# Allegro board 8880F5-0820_5.brd (continued)
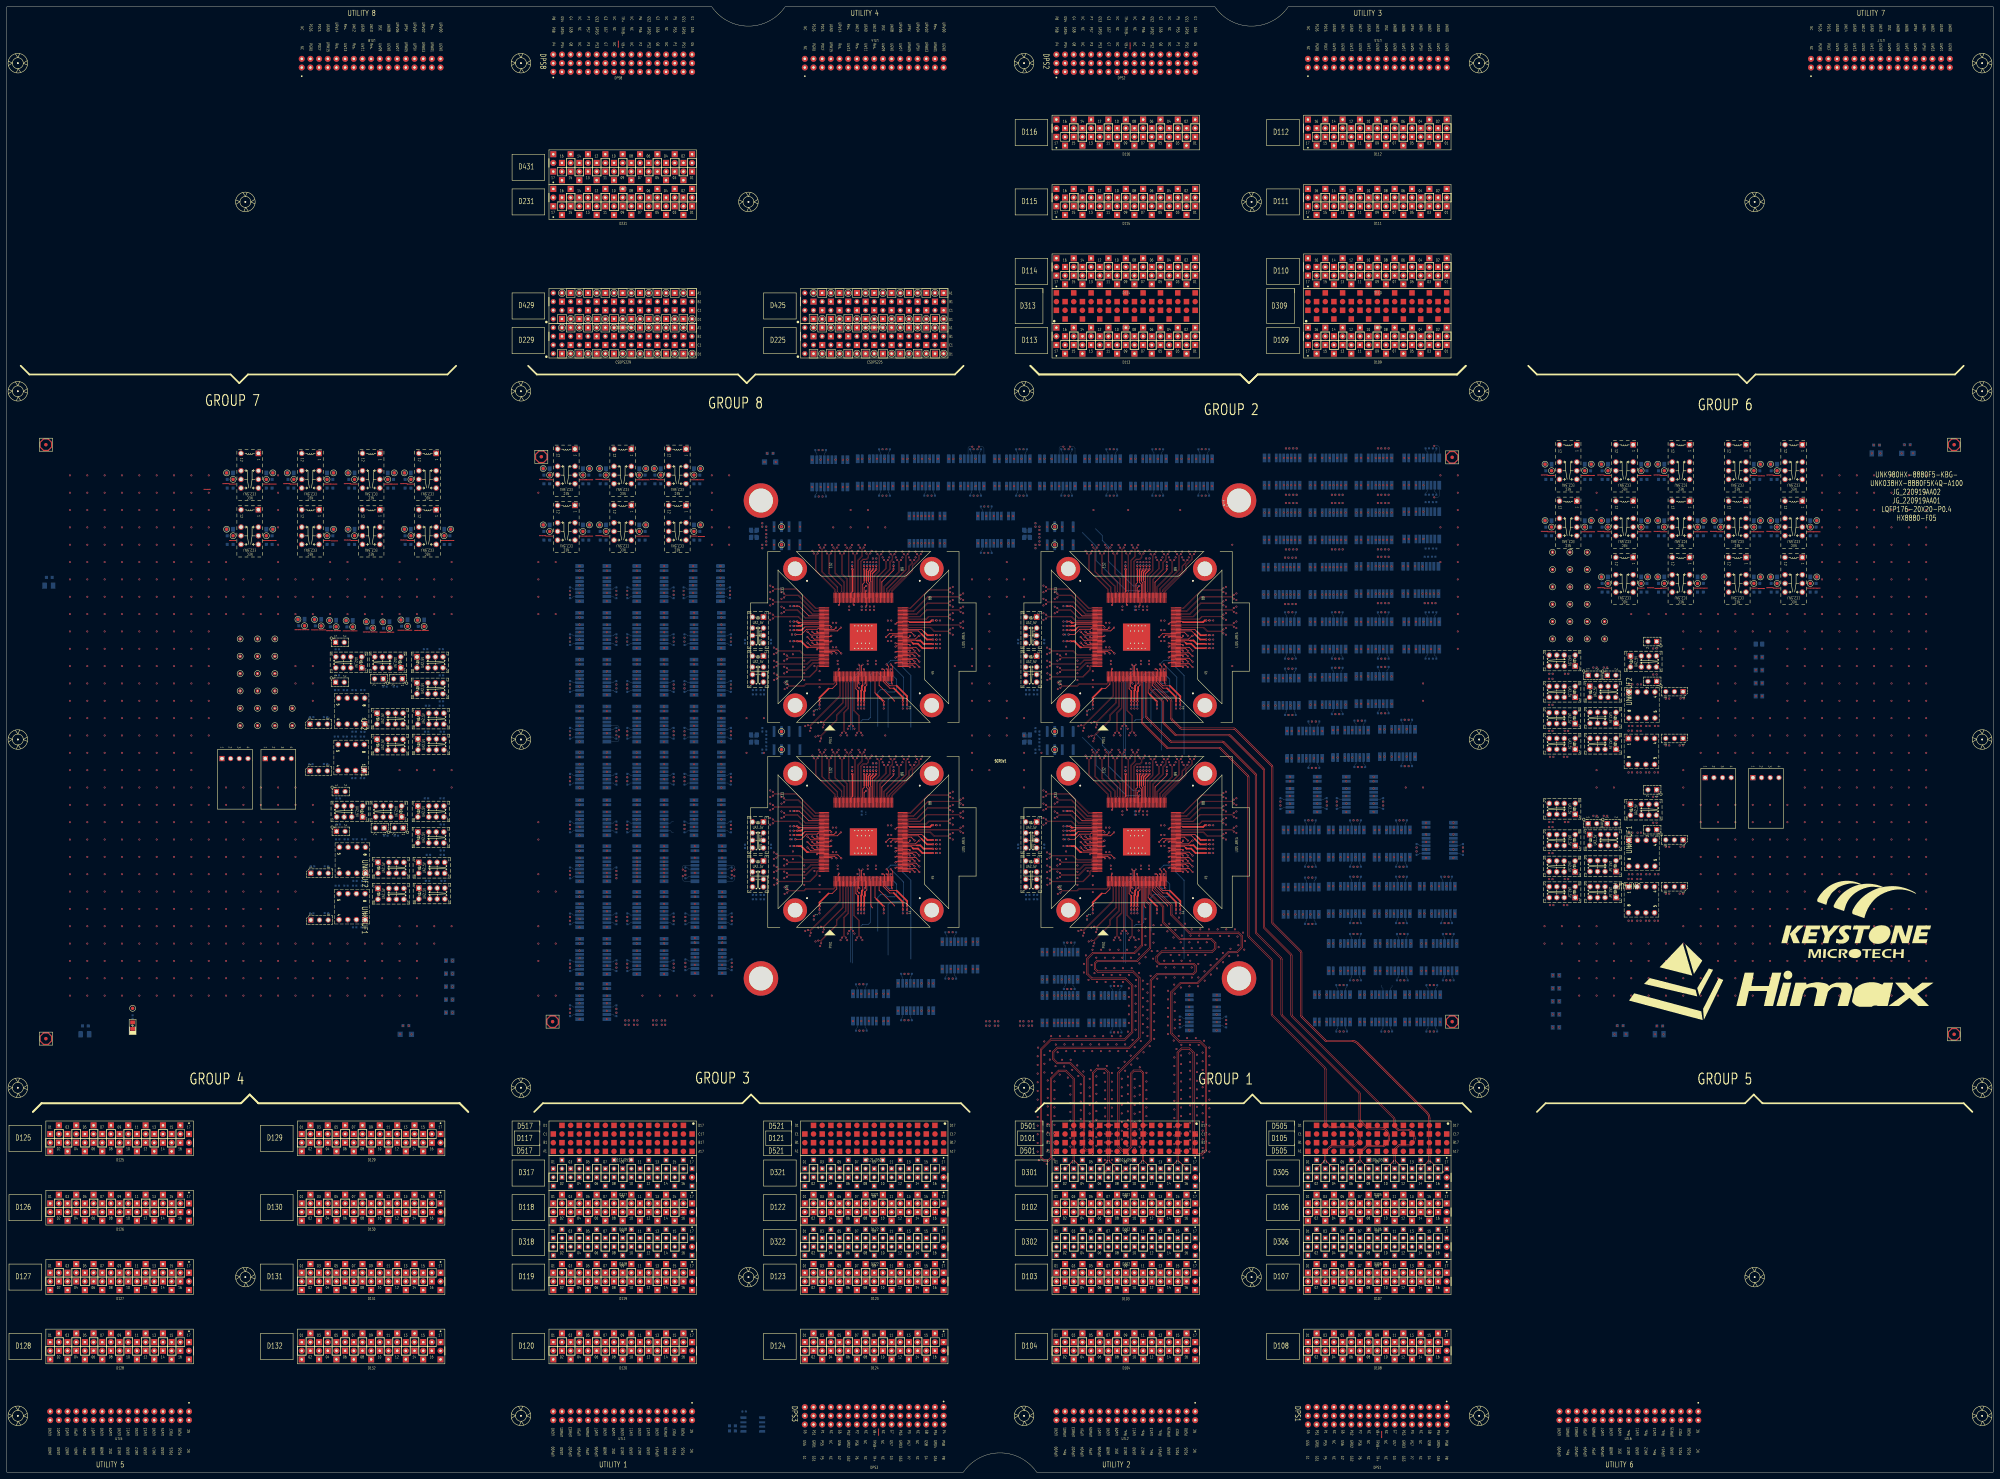
[diagram p0: board, top side]
## Placement (name value [footprint] x y rotation side) (continued)
NOREF#1336  -  []  167.7 151.68 90 top
NOREF#1337  -  []  392.24 194.78 90 top
NOREF#1338  -  []  367.13 271.21 0 top
NOREF#1339  -  []  456.04 222.5 0 top
NOREF#1340  -  []  450.03 166.93 0 top
NOREF#1341  -  []  167.7 241.43 90 top
NOREF#1342  -  []  374.34 210.38 90 top
NOREF#1343  -  []  199.08 254 90 top
NOREF#1344  -  []  165.8 254 90 top
NOREF#1345  -  []  96.58 195.15 0 top
NOREF#1346  -  []  418.12 273.37 0 top
NOREF#1347  -  []  103.93 235.64 0 top
NOREF#1348  -  []  127.95 222.33 0 top
NOREF#1349  -  []  221.56 182.89 0 top
NOREF#1350  -  []  229.21 193.37 0 top
NOREF#1351  -  []  100.73 238.84 0 top
NOREF#1352  -  []  166.06 135.19 90 top
NOREF#1353  -  []  352.25 189.82 0 top
NOREF#1354  -  []  285.02 288.91 90 top
NOREF#1355  -  []  277.17 288.86 0 top
NOREF#1356  -  []  200.98 255.15 0 top
NOREF#1357  -  []  352.25 242.32 90 top
NOREF#1358  -  []  343.63 163.82 90 top
NOREF#1359  -  []  167.7 241.43 0 top
NOREF#1360  -  []  420.37 255.47 90 top
NOREF#1361  -  []  119.7 231.22 0 top
NOREF#1362  -  []  192.47 250.38 90 top
NOREF#1363  -  []  199.33 212.85 0 top
NOREF#1364  -  []  352.93 288.86 90 top
NOREF#1365  -  []  209.49 175.56 90 top
NOREF#1366  -  []  415.61 185.72 90 top
NOREF#1367  -  []  385.18 209.11 90 top
NOREF#1368  -  []  127.3 235.64 90 top
NOREF#1369  -  []  300.74 286.96 90 top
NOREF#1370  -  []  252.51 265.55 0 top
NOREF#1371  -  []  259.97 204.35 90 top
NOREF#1372  -  []  247.25 205.56 0 top
NOREF#1373  -  []  309.21 187.61 0 top
NOREF#1374  -  []  177.33 228.47 90 top
NOREF#1375  -  []  182.57 254 0 top
NOREF#1376  -  []  272.25 249.18 90 top
NOREF#1377  -  []  351.04 244.23 0 top
NOREF#1378  -  []  395.2 265.37 0 top
NOREF#1379  -  []  385.32 161.49 90 top
NOREF#1380  -  []  118.33 289.48 90 top
NOREF#1381  -  []  412.6 161.74 0 top
NOREF#1382  -  []  415.61 181.32 90 top
NOREF#1383  -  []  272.66 288.86 90 top
NOREF#1384  -  []  218.16 188.49 0 top
NOREF#1385  -  []  385.93 178.25 0 top
NOREF#1386  -  []  251.62 205.56 90 top
NOREF#1387  -  []  317.57 209.63 90 top
NOREF#1388  -  []  250.23 132.14 0 top
NOREF#1389  -  []  230.43 183.09 90 top
NOREF#1390  -  []  305.94 288.86 0 top
NOREF#1391  -  []  343.31 224.74 0 top
NOREF#1392  -  []  283.25 147.43 90 top
NOREF#1393  -  []  310.43 193.37 90 top
NOREF#1394  -  []  399.64 144.98 0 top
NOREF#1395  -  []  390.53 146.88 0 top
NOREF#1396  -  []  322.23 173.13 90 top
NOREF#1397  -  []  352.55 242.64 0 top
NOREF#1398  -  []  402.14 146.88 0 top
NOREF#1399  -  []  331.94 204.65 90 top
NOREF#1400  -  []  155.57 275.14 90 top
NOREF#1401  -  []  310.43 246.34 90 top
NOREF#1402  -  []  384.08 209.16 90 top
NOREF#1403  -  []  310.43 243.09 0 top
NOREF#1404  -  []  406.65 255.47 90 top
NOREF#1405  -  []  192.47 230.17 90 top
NOREF#1406  -  []  334.29 265.56 0 top
NOREF#1407  -  []  387.39 265.11 0 top
NOREF#1408  -  []  385.19 224.85 0 top
NOREF#1409  -  []  177.33 214.75 90 top
NOREF#1410  -  []  246.67 288.16 90 top
NOREF#1411  -  []  479.44 239.09 0 top
NOREF#1412  -  []  175.7 154.88 90 top
NOREF#1413  -  []  251.94 265.86 90 top
NOREF#1414  -  []  404.15 289.12 0 top
NOREF#1415  -  []  259.45 288.86 90 top
NOREF#1416  -  []  254.61 264.65 90 top
NOREF#1417  -  []  392.47 256.66 90 top
NOREF#1418  -  []  106.18 160.58 90 top
NOREF#1419  -  []  340.83 234.63 90 top
NOREF#1420  -  []  380.59 222.95 0 top
NOREF#1421  -  []  184.47 161 90 top
NOREF#1422  -  []  462.06 293.82 90 top
NOREF#1423  -  []  326.23 173.13 0 top
NOREF#1424  -  []  337.9 186.99 0 top
NOREF#1425  -  []  310.73 253.69 0 top
NOREF#1426  -  []  308.14 296.86 0 top
NOREF#1427  -  []  308.91 139.64 0 top
NOREF#1428  -  []  330.74 164.72 0 top
NOREF#1429  -  []  201.23 187.92 90 top
NOREF#1430  -  []  167.7 136.27 90 top
NOREF#1431  -  []  369.38 257.11 0 top
NOREF#1432  -  []  165.8 144.78 90 top
NOREF#1433  -  []  320.42 131.64 0 top
NOREF#1434  -  []  118.45 226.62 90 top
NOREF#1435  -  []  378.58 289.12 90 top
NOREF#1436  -  []  456.08 214.96 0 top
NOREF#1437  -  []  329.6 163.52 90 top
NOREF#1438  -  []  201.23 247.18 90 top
NOREF#1439  -  []  177.33 160.4 90 top
NOREF#1440  -  []  518.38 257.36 90 top
NOREF#1441  -  []  460.93 182.17 90 top
NOREF#1442  -  []  555.66 300.54 90 top
NOREF#1443  -  []  336.45 224.74 0 top
NOREF#1444  -  []  230.43 253.37 90 top
NOREF#1445  -  []  546.67 300.44 90 top
NOREF#1446  -  []  167.7 161 90 top
NOREF#1447  -  []  401.89 180.15 0 top
NOREF#1448  -  []  101.29 247.16 90 top
NOREF#1449  -  []  199.59 158.5 0 top
NOREF#1450  -  []  381.74 232.85 0 top
NOREF#1451  -  []  404.15 241.11 0 top
NOREF#1452  -  []  247.57 204.65 90 top
NOREF#1453  -  []  393.19 239.21 90 top
NOREF#1454  -  []  327.57 204.65 90 top
NOREF#1455  -  []  392.24 196.98 90 top
NOREF#1456  -  []  371.48 232.6 0 top
NOREF#1457  -  []  209.23 243.88 90 top
NOREF#1458  -  []  384.59 162.84 90 top
NOREF#1459  -  []  251.22 253.63 0 top
NOREF#1460  -  []  209.23 232.37 90 top
NOREF#1461  -  []  251.62 265.56 90 top
NOREF#1462  -  []  172.08 289.11 90 top
NOREF#1463  -  []  184.47 255.15 0 top
NOREF#1464  -  []  175.7 202.99 90 top
NOREF#1465  -  []  182.57 226.57 0 top
NOREF#1466  -  []  175.7 182.06 90 top
NOREF#1467  -  []  194.09 242.18 90 top
NOREF#1468  -  []  120.24 171.1 0 top
NOREF#1469  -  []  387.39 249.11 0 top
NOREF#1470  -  []  385.19 297.12 0 top
NOREF#1471  -  []  252.51 264.35 90 top
NOREF#1472  -  []  167.7 173.11 90 top
NOREF#1473  -  []  385.19 257.11 0 top
NOREF#1474  -  []  184.47 241.43 0 top
NOREF#1475  -  []  331.38 223.52 90 top
NOREF#1476  -  []  311.15 159.63 90 top
NOREF#1477  -  []  230.41 253.37 90 top
NOREF#1478  -  []  165.8 212.85 90 top
NOREF#1479  -  []  230.43 186.34 90 top
NOREF#1480  -  []  175.7 137.37 90 top
NOREF#1481  -  []  263.95 163.52 90 top
NOREF#1482  -  []  247.78 132.14 90 top
NOREF#1483  -  []  400.85 233.11 0 top
NOREF#1484  -  []  108.01 214.71 0 top
NOREF#1485  -  []  175.8 256.4 90 top
NOREF#1486  -  []  250.5 288.86 0 top
NOREF#1487  -  []  106.76 215.26 0 top
NOREF#1488  -  []  258.61 131.69 90 top
NOREF#1489  -  []  346.27 135.17 90 top
NOREF#1490  -  []  412.62 241.11 0 top
NOREF#1491  -  []  251.05 204.65 90 top
NOREF#1492  -  []  167.7 186.57 90 top
NOREF#1493  -  []  450.03 225.6 0 top
NOREF#1494  -  []  106.76 210.11 90 top
NOREF#1495  -  []  420.62 287.22 90 top
NOREF#1496  -  []  251.86 252.43 90 top
NOREF#1497  -  []  378.33 224.6 90 top
NOREF#1498  -  []  331.54 252.73 90 top
NOREF#1499  -  []  463.61 171.53 0 top
NOREF#1500  -  []  167.7 214 0 top
NOREF#1501  -  []  128.05 273.87 90 top
NOREF#1502  -  []  118.7 217.73 90 top
NOREF#1503  -  []  396.55 225.11 0 top
NOREF#1504  -  []  118.45 231.77 0 top
NOREF#1505  -  []  459.24 175.86 90 top
NOREF#1506  -  []  84.04 287.84 90 top
NOREF#1507  -  []  124.1 231.22 0 top
NOREF#1508  -  []  334.29 264.35 90 top
NOREF#1509  -  []  108.01 222.33 0 top
NOREF#1510  -  []  302.11 142.44 0 top
NOREF#1511  -  []  352.25 184.23 0 top
NOREF#1512  -  []  383.09 257.11 0 top
NOREF#1513  -  []  463.61 222.58 0 top
NOREF#1514  -  []  412.24 144.98 90 top
NOREF#1515  -  []  338.36 288.91 90 top
NOREF#1516  -  []  325.92 131.64 0 top
NOREF#1517  -  []  239.33 243.63 90 top
NOREF#1518  -  []  451.68 230.2 0 top
NOREF#1519  -  []  301.56 171.46 0 top
NOREF#1520  -  []  336.45 224.72 0 top
NOREF#1521  -  []  451.68 230.2 0 top
NOREF#1522  -  []  284.36 280.1 0 top
NOREF#1523  -  []  337.09 164.74 90 top
NOREF#1524  -  []  254.29 264.35 90 top
NOREF#1525  -  []  376.23 209.11 0 top
NOREF#1526  -  []  259.33 265.55 0 top
NOREF#1527  -  []  385.93 144.98 0 top
NOREF#1528  -  []  351.04 245.5 0 top
NOREF#1529  -  []  271.04 185.5 0 top
NOREF#1530  -  []  330.74 164.74 0 top
NOREF#1531  -  []  184.47 260.9 90 top
NOREF#1532  -  []  450.03 182.17 0 top
NOREF#1533  -  []  271.34 243.91 0 top
NOREF#1534  -  []  272.25 185.5 0 top
NOREF#1535  -  []  108.01 222.33 0 top
NOREF#1536  -  []  199.84 175.58 90 top
NOREF#1537  -  []  352.55 183.91 0 top
NOREF#1538  -  []  321.35 296.86 0 top
NOREF#1539  -  []  121.9 231.22 0 top
NOREF#1540  -  []  396.28 180.2 90 top
NOREF#1541  -  []  192.47 246.08 90 top
NOREF#1542  -  []  238.3 163.52 90 top
NOREF#1543  -  []  298.16 177.06 0 top
NOREF#1544  -  []  217.41 273.24 90 top
NOREF#1545  -  []  463.61 222.58 0 top
NOREF#1546  -  []  271.34 242.64 0 top
NOREF#1547  -  []  184.47 174.46 90 top
NOREF#1548  -  []  423.45 146.93 90 top
NOREF#1549  -  []  199.33 240.28 0 top
NOREF#1550  -  []  313.98 143.79 90 top
NOREF#1551  -  []  201.49 159.65 90 top
NOREF#1552  -  []  192.57 215.25 90 top
NOREF#1553  -  []  319.33 236.03 0 top
NOREF#1554  -  []  394.66 242.38 90 top
NOREF#1555  -  []  408.63 290.39 90 top
NOREF#1556  -  []  273.24 272.1 0 top
NOREF#1557  -  []  298.13 274.06 0 top
NOREF#1558  -  []  241.6 296.61 0 top
NOREF#1559  -  []  279.7 155.38 0 top
NOREF#1560  -  []  167.7 244.98 90 top
NOREF#1561  -  []  230.73 193.69 0 top
NOREF#1562  -  []  471.21 219.38 0 top
NOREF#1563  -  []  230.43 243.09 90 top
NOREF#1564  -  []  175.7 222.95 90 top
NOREF#1565  -  []  127.7 231.22 0 top
NOREF#1566  -  []  410.78 131.89 0 top
NOREF#1567  -  []  166.06 216.47 90 top
NOREF#1568  -  []  351.34 245.18 0 top
NOREF#1569  -  []  222.11 240.71 0 top
NOREF#1570  -  []  272.55 182.64 0 top
NOREF#1571  -  []  106.76 215.26 0 top
NOREF#1572  -  []  229.51 253.69 0 top
NOREF#1573  -  []  483.17 130.26 90 top
NOREF#1574  -  []  188.08 291.65 90 top
NOREF#1575  -  []  229.51 249.2 0 top
NOREF#1576  -  []  332.61 296.86 0 top
NOREF#1577  -  []  397.57 131.89 0 top
NOREF#1578  -  []  376.98 241.11 0 top
NOREF#1579  -  []  124.35 195.15 0 top
NOREF#1580  -  []  224.65 271.67 0 top
NOREF#1581  -  []  418.37 241.16 90 top
NOREF#1582  -  []  381.86 129.99 0 top
NOREF#1583  -  []  192.47 202.99 90 top
NOREF#1584  -  []  398.65 281.11 0 top
NOREF#1585  -  []  412.62 281.37 0 top
NOREF#1586  -  []  247.57 264.65 90 top
NOREF#1587  -  []  419.9 288.67 90 top
NOREF#1588  -  []  317.66 224.72 0 top
NOREF#1589  -  []  115.61 211.51 90 top
NOREF#1590  -  []  260.99 143.19 0 top
NOREF#1591  -  []  215.96 237.06 0 top
NOREF#1592  -  []  261.63 233.83 90 top
NOREF#1593  -  []  260.83 174.63 90 top
NOREF#1594  -  []  223.56 185.29 90 top
NOREF#1595  -  []  409.49 163.64 0 top
NOREF#1596  -  []  399.07 208.91 90 top
NOREF#1597  -  []  310.73 246.66 0 top
NOREF#1598  -  []  184.47 214 90 top
NOREF#1599  -  []  352.24 249.18 90 top
NOREF#1600  -  []  272.8 157.28 0 top
NOREF#1601  -  []  352.25 184.86 90 top
NOREF#1602  -  []  250.49 163.52 90 top
NOREF#1603  -  []  405.93 272.56 90 top
NOREF#1604  -  []  248.33 187.93 0 top
NOREF#1605  -  []  400.79 154.88 0 top
NOREF#1606  -  []  310.43 248.88 90 top
NOREF#1607  -  []  327.57 264.65 90 top
NOREF#1608  -  []  352.25 181.69 0 top
NOREF#1609  -  []  115.61 191.95 0 top
NOREF#1610  -  []  397.8 163.19 90 top
NOREF#1611  -  []  247.34 133.41 90 top
NOREF#1612  -  []  411.26 163.09 90 top
NOREF#1613  -  []  101.82 290.38 90 top
NOREF#1614  -  []  168.13 159.1 90 top
NOREF#1615  -  []  449.99 217.9 0 top
NOREF#1616  -  []  331.62 205.55 0 top
NOREF#1617  -  []  306.83 209.63 90 top
NOREF#1618  -  []  230.43 187.61 0 top
NOREF#1619  -  []  259.65 265.86 90 top
NOREF#1620  -  []  251.06 163.82 90 top
NOREF#1621  -  []  272.25 245.5 0 top
NOREF#1622  -  []  201.23 186.57 0 top
NOREF#1623  -  []  258.1 288.86 0 top
NOREF#1624  -  []  263.71 288.86 0 top
NOREF#1625  -  []  177.33 242.18 90 top
NOREF#1626  -  []  275.82 296.86 0 top
NOREF#1627  -  []  317.83 197.63 0 top
NOREF#1628  -  []  242.23 233.13 0 top
NOREF#1629  -  []  290.11 280.1 0 top
NOREF#1630  -  []  175.7 150.58 90 top
NOREF#1631  -  []  398.65 233.11 0 top
NOREF#1632  -  []  390.69 257.11 0 top
NOREF#1633  -  []  382.82 180.15 0 top
NOREF#1634  -  []  402.14 146.88 0 top
NOREF#1635  -  []  260.6 286.96 90 top
NOREF#1636  -  []  192.57 160.9 90 top
NOREF#1637  -  []  209.33 187.82 90 top
NOREF#1638  -  []  376.23 209.11 0 top
NOREF#1639  -  []  317.66 164.74 0 top
NOREF#1640  -  []  328.62 290.13 90 top
NOREF#1641  -  []  465.81 222.58 0 top
NOREF#1642  -  []  257.09 163.52 90 top
NOREF#1643  -  []  351.34 189.5 0 top
NOREF#1644  -  []  367.48 258.38 90 top
NOREF#1645  -  []  272.24 183.59 90 top
NOREF#1646  -  []  368.28 297.12 0 top
NOREF#1647  -  []  342.68 164.74 90 top
NOREF#1648  -  []  201.23 201.89 90 top
NOREF#1649  -  []  310.73 193.69 0 top
NOREF#1650  -  []  230.73 249.2 0 top
NOREF#1651  -  []  168.13 227.17 90 top
NOREF#1652  -  []  175.7 175.56 90 top
NOREF#1653  -  []  182.57 240.28 90 top
NOREF#1654  -  []  394.05 287.22 0 top
NOREF#1655  -  []  251.62 264.35 90 top
NOREF#1656  -  []  398.65 209.36 90 top
NOREF#1657  -  []  192.47 191.22 90 top
NOREF#1658  -  []  310.43 253.37 90 top
NOREF#1659  -  []  337.09 224.74 90 top
NOREF#1660  -  []  271.56 288.91 90 top
NOREF#1661  -  []  351.34 241.37 0 top
NOREF#1662  -  []  182.57 212.85 90 top
NOREF#1663  -  []  329.6 164.74 90 top
NOREF#1664  -  []  110.47 171.02 0 top
NOREF#1665  -  []  418.63 131.94 90 top
NOREF#1666  -  []  471.21 168.33 90 top
NOREF#1667  -  []  394.05 271.21 0 top
NOREF#1668  -  []  252.51 205.55 0 top
NOREF#1669  -  []  329.6 224.74 90 top
NOREF#1670  -  []  127.95 187.53 0 top
NOREF#1671  -  []  478.57 293.82 90 top
NOREF#1672  -  []  408.63 274.64 90 top
NOREF#1673  -  []  413.75 171.64 0 top
NOREF#1674  -  []  229.51 187.93 0 top
NOREF#1675  -  []  342.36 163.82 90 top
NOREF#1676  -  []  394.66 274.38 90 top
NOREF#1677  -  []  253.33 181.33 90 top
NOREF#1678  -  []  84.04 290.38 90 top
NOREF#1679  -  []  253.72 205.86 90 top
NOREF#1680  -  []  310.43 186.34 90 top
NOREF#1681  -  []  184.47 242.78 90 top
NOREF#1682  -  []  333.4 205.55 0 top
NOREF#1683  -  []  411.09 146.88 90 top
NOREF#1684  -  []  199.59 145.03 0 top
NOREF#1685  -  []  217.71 276.09 0 top
NOREF#1686  -  []  409.74 146.88 0 top
NOREF#1687  -  []  221.56 231.46 0 top
NOREF#1688  -  []  175.7 162.1 90 top
NOREF#1689  -  []  379 272.56 90 top
NOREF#1690  -  []  450.03 210.36 0 top
NOREF#1691  -  []  420.15 131.34 90 top
NOREF#1692  -  []  414.25 154.88 0 top
NOREF#1693  -  []  265.81 288.86 0 top
NOREF#1694  -  []  166.06 203.01 90 top
NOREF#1695  -  []  167.7 165.4 90 top
NOREF#1696  -  []  259.33 205.55 0 top
NOREF#1697  -  []  201.23 227.72 90 top
NOREF#1698  -  []  331.62 264.35 90 top
NOREF#1699  -  []  404.4 225.16 90 top
NOREF#1700  -  []  400.85 281.11 0 top
NOREF#1701  -  []  459.24 219.3 90 top
NOREF#1702  -  []  405.93 240.56 90 top
NOREF#1703  -  []  317.98 163.82 90 top
NOREF#1704  -  []  192.47 257.6 90 top
NOREF#1705  -  []  272.25 189.82 0 top
NOREF#1706  -  []  378.33 257.11 90 top
NOREF#1707  -  []  373.83 192.28 0 top
NOREF#1708  -  []  309.51 246.66 0 top
NOREF#1709  -  []  184.47 219.75 90 top
NOREF#1710  -  []  309.51 247.93 0 top
NOREF#1711  -  []  374.08 195.9 90 top
NOREF#1712  -  []  110.21 214.71 0 top
NOREF#1713  -  []  385.93 161.74 0 top
NOREF#1714  -  []  168.13 145.38 90 top
NOREF#1715  -  []  332.51 205.55 0 top
NOREF#1716  -  []  351.34 183.91 0 top
NOREF#1717  -  []  518.38 276.41 90 top
NOREF#1718  -  []  166.06 189.04 90 top
NOREF#1719  -  []  93.76 287.84 90 top
NOREF#1720  -  []  118.7 190.55 90 top
NOREF#1721  -  []  199.08 254 0 top
NOREF#1722  -  []  318.3 163.52 90 top
NOREF#1723  -  []  385.19 265.11 0 top
NOREF#1724  -  []  230.41 183.09 90 top
NOREF#1725  -  []  184.89 240.88 90 top
NOREF#1726  -  []  271.04 184.23 0 top
NOREF#1727  -  []  201.49 146.18 0 top
NOREF#1728  -  []  377.48 289.17 90 top
NOREF#1729  -  []  380.59 255.21 0 top
NOREF#1730  -  []  311.44 288.86 0 top
NOREF#1731  -  []  405.93 224.56 90 top
NOREF#1732  -  []  339.65 264.65 90 top
NOREF#1733  -  []  192.47 236.67 90 top
NOREF#1734  -  []  404.15 225.11 0 top
NOREF#1735  -  []  554.86 298.45 0 top
NOREF#1736  -  []  314.33 228.13 90 top
NOREF#1737  -  []  381.2 258.38 90 top
NOREF#1738  -  []  247.57 264.65 90 top
NOREF#1739  -  []  407.77 255.47 0 top
NOREF#1740  -  []  271.04 249.82 0 top
NOREF#1741  -  []  300.36 248.49 0 top
NOREF#1742  -  []  263.83 171.63 90 top
NOREF#1743  -  []  380.59 287.22 0 top
NOREF#1744  -  []  409.43 139.89 0 top
NOREF#1745  -  []  327.25 265.56 0 top
NOREF#1746  -  []  230.43 193.37 90 top
NOREF#1747  -  []  182.57 185.42 0 top
NOREF#1748  -  []  473.79 196.21 0 top
NOREF#1749  -  []  250.49 223.52 90 top
NOREF#1750  -  []  229.05 271.67 0 top
NOREF#1751  -  []  303.56 245.29 90 top
NOREF#1752  -  []  399.99 181.42 90 top
NOREF#1753  -  []  201.49 159.65 0 top
NOREF#1754  -  []  383.09 289.12 0 top
NOREF#1755  -  []  192.47 243.88 90 top
NOREF#1756  -  []  518.38 292.92 90 top
NOREF#1757  -  []  459.28 211.76 90 top
NOREF#1758  -  []  397.38 180.15 90 top
NOREF#1759  -  []  274.67 286.96 0 top
NOREF#1760  -  []  424.98 146.43 90 top
NOREF#1761  -  []  230.73 189.2 0 top
NOREF#1762  -  []  461.96 166.93 0 top
NOREF#1763  -  []  369.38 224.6 0 top
NOREF#1764  -  []  165.8 226.57 90 top
NOREF#1765  -  []  310.43 249.52 0 top
NOREF#1766  -  []  167.7 231.27 90 top
NOREF#1767  -  []  201.49 149.73 90 top
NOREF#1768  -  []  118.45 239.39 0 top
NOREF#1769  -  []  165.8 254 0 top
NOREF#1770  -  []  276.4 147.38 0 top
NOREF#1771  -  []  119.95 222.33 0 top
NOREF#1772  -  []  367.13 287.22 0 top
NOREF#1773  -  []  518.38 290.38 90 top
NOREF#1774  -  []  302.11 129.74 0 top
NOREF#1775  -  []  106.29 174.19 90 top
NOREF#1776  -  []  337.9 246.35 90 top
NOREF#1777  -  []  167.7 219.75 90 top
NOREF#1778  -  []  321.82 227.13 90 top
NOREF#1779  -  []  394.66 290.39 90 top
NOREF#1780  -  []  386.53 148.15 90 top
NOREF#1781  -  []  351.34 181.37 0 top
NOREF#1782  -  []  373.68 232.6 0 top
NOREF#1783  -  []  301.56 231.46 0 top
NOREF#1784  -  []  175.7 216.45 90 top
NOREF#1785  -  []  331.86 252.43 90 top
NOREF#1786  -  []  165.8 171.96 90 top
NOREF#1787  -  []  332.51 265.56 90 top
NOREF#1788  -  []  366.88 239.21 0 top
NOREF#1789  -  []  284.77 288.86 0 top
NOREF#1790  -  []  182.57 199.39 90 top
NOREF#1791  -  []  399.67 139.89 0 top
NOREF#1792  -  []  262.36 296.86 0 top
NOREF#1793  -  []  201.4 254.6 90 top
NOREF#1794  -  []  230.43 254.01 0 top
NOREF#1795  -  []  247.25 265.56 0 top
NOREF#1796  -  []  340.61 286.96 90 top
NOREF#1797  -  []  221.56 242.89 0 top
NOREF#1798  -  []  374.88 217.11 0 top
NOREF#1799  -  []  312.21 144.34 0 top
NOREF#1800  -  []  318.32 131.64 0 top
NOREF#1801  -  []  257.09 224.74 90 top
NOREF#1802  -  []  175.7 259.8 90 top
NOREF#1803  -  []  310.43 246.34 0 top
NOREF#1804  -  []  339.65 205.86 90 top
NOREF#1805  -  []  201.23 200.54 0 top
NOREF#1806  -  []  263.31 164.72 0 top
NOREF#1807  -  []  369.38 224.6 0 top
NOREF#1808  -  []  368.03 265.11 0 top
NOREF#1809  -  []  288.14 286.96 0 top
NOREF#1810  -  []  352.25 244.86 90 top
NOREF#1811  -  []  399.39 178.25 0 top
NOREF#1812  -  []  248.96 224.72 0 top
NOREF#1813  -  []  184.47 200.54 90 top
NOREF#1814  -  []  460.93 225.6 90 top
NOREF#1815  -  []  459.28 211.76 0 top
NOREF#1816  -  []  397.55 209.41 90 top
NOREF#1817  -  []  406.19 171.64 0 top
NOREF#1818  -  []  352.55 185.18 0 top
NOREF#1819  -  []  327.57 265.86 90 top
NOREF#1820  -  []  342.68 223.52 90 top
NOREF#1821  -  []  225.83 204.31 0 top
NOREF#1822  -  []  167.7 149.48 90 top
NOREF#1823  -  []  272.25 241.05 90 top
NOREF#1824  -  []  313.98 143.89 90 top
NOREF#1825  -  []  257.9 246.99 0 top
NOREF#1826  -  []  75.98 290.38 90 top
NOREF#1827  -  []  297.71 216.09 0 top
NOREF#1828  -  []  473.79 239.64 0 top
NOREF#1829  -  []  351.04 189.82 0 top
NOREF#1830  -  []  251.38 163.52 90 top
NOREF#1831  -  []  271.04 244.23 0 top
NOREF#1832  -  []  175.7 205.19 90 top
NOREF#1833  -  []  343.63 165.04 90 top
NOREF#1834  -  []  400.85 249.11 0 top
NOREF#1835  -  []  353.35 288.41 90 top
NOREF#1836  -  []  229.51 189.2 0 top
NOREF#1837  -  []  234.7 286.71 90 top
NOREF#1838  -  []  418.12 241.11 0 top
NOREF#1839  -  []  167.7 255.15 0 top
NOREF#1840  -  []  396.55 257.37 0 top
NOREF#1841  -  []  423.61 182.42 90 top
NOREF#1842  -  []  175.7 164.3 90 top
NOREF#1843  -  []  237.98 163.82 90 top
NOREF#1844  -  []  301.56 242.89 0 top
NOREF#1845  -  []  409.17 281.37 0 top
NOREF#1846  -  []  108.01 195.15 0 top
NOREF#1847  -  []  167.7 176.66 90 top
NOREF#1848  -  []  354.27 131.87 90 top
NOREF#1849  -  []  405.17 131.89 0 top
NOREF#1850  -  []  381.2 242.38 90 top
NOREF#1851  -  []  333.4 204.35 90 top
NOREF#1852  -  []  36.1 129.71 90 top
NOREF#1853  -  []  326 288.86 90 top
NOREF#1854  -  []  209.23 250.38 90 top
NOREF#1855  -  []  322.23 233.13 90 top
NOREF#1856  -  []  352.25 241.69 0 top
NOREF#1857  -  []  419.9 240.66 90 top
NOREF#1858  -  []  184.89 159.1 90 top
NOREF#1859  -  []  346.69 128.87 90 top
NOREF#1860  -  []  115.36 235.64 0 top
NOREF#1861  -  []  332.51 205.56 90 top
NOREF#1862  -  []  405.93 288.67 90 top
NOREF#1863  -  []  400.85 265.37 0 top
NOREF#1864  -  []  398.53 144.98 90 top
NOREF#1865  -  []  119.76 127 90 top
NOREF#1866  -  []  270.04 280.1 0 top
NOREF#1867  -  []  340.83 174.63 90 top
NOREF#1868  -  []  328.33 187.93 0 top
NOREF#1869  -  []  112.41 195.15 0 top
NOREF#1870  -  []  297.41 213.24 90 top
NOREF#1871  -  []  251.54 252.73 90 top
NOREF#1872  -  []  396.55 273.11 0 top
NOREF#1873  -  []  199.33 257.62 90 top
NOREF#1874  -  []  419.4 171.64 0 top
NOREF#1875  -  []  184.47 190.12 90 top
NOREF#1876  -  []  215.96 237.06 0 top
NOREF#1877  -  []  343.95 223.52 90 top
NOREF#1878  -  []  318.3 224.74 90 top
NOREF#1879  -  []  327.57 205.86 90 top
NOREF#1880  -  []  377.32 188.15 0 top
NOREF#1881  -  []  297.83 234.63 90 top
NOREF#1882  -  []  337.09 163.52 90 top
NOREF#1883  -  []  465.31 186.77 0 top
NOREF#1884  -  []  425.2 161.74 90 top
NOREF#1885  -  []  518.38 273.87 90 top
NOREF#1886  -  []  172.08 275.14 90 top
NOREF#1887  -  []  302.11 192.14 0 top
NOREF#1888  -  []  417.87 257.37 0 top
NOREF#1889  -  []  398.53 161.74 90 top
NOREF#1890  -  []  352.24 183.59 90 top
NOREF#1891  -  []  385.19 281.11 0 top
NOREF#1892  -  []  353.35 288.31 90 top
NOREF#1893  -  []  167.7 200.54 0 top
NOREF#1894  -  []  396.55 257.37 0 top
NOREF#1895  -  []  263.31 224.72 0 top
NOREF#1896  -  []  201.21 276.04 90 top
NOREF#1897  -  []  119.95 187.53 0 top
NOREF#1898  -  []  332.51 205.56 0 top
NOREF#1899  -  []  313.56 131.64 90 top
NOREF#1900  -  []  310.73 253.69 0 top
NOREF#1901  -  []  184.89 186.02 90 top
NOREF#1902  -  []  297.83 174.63 90 top
NOREF#1903  -  []  216.96 252.14 0 top
NOREF#1904  -  []  199.59 203.01 90 top
NOREF#1905  -  []  115.61 191.95 90 top
NOREF#1906  -  []  411.99 178.25 90 top
NOREF#1907  -  []  251.62 265.56 0 top
NOREF#1908  -  []  333.72 264.65 90 top
NOREF#1909  -  []  155.57 291.65 90 top
NOREF#1910  -  []  511.59 276.41 90 top
NOREF#1911  -  []  272.25 182.32 90 top
NOREF#1912  -  []  327.89 264.35 90 top
NOREF#1913  -  []  408.02 287.22 0 top
NOREF#1914  -  []  297.41 213.24 0 top
NOREF#1915  -  []  238.3 223.52 90 top
NOREF#1916  -  []  472.86 217.98 90 top
NOREF#1917  -  []  411.99 161.74 90 top
NOREF#1918  -  []  219.81 273.69 90 top
NOREF#1919  -  []  118.7 188.08 0 top
NOREF#1920  -  []  165.8 240.28 0 top
NOREF#1921  -  []  367.48 242.38 90 top
NOREF#1922  -  []  93.76 290.38 90 top
NOREF#1923  -  []  381.2 274.38 90 top
NOREF#1924  -  []  379.01 288.67 90 top
NOREF#1925  -  []  331.05 265.86 90 top
NOREF#1926  -  []  184.47 215.35 90 top
NOREF#1927  -  []  392.47 272.66 90 top
NOREF#1928  -  []  177.33 255.9 90 top
NOREF#1929  -  []  250.17 223.82 90 top
NOREF#1930  -  []  375.73 199.18 90 top
NOREF#1931  -  []  237.66 224.74 0 top
NOREF#1932  -  []  318.45 197.01 0 top
NOREF#1933  -  []  192.47 189.02 90 top
NOREF#1934  -  []  66.26 273.87 90 top
NOREF#1935  -  []  409.17 249.11 0 top
NOREF#1936  -  []  465.31 230.2 0 top
NOREF#1937  -  []  410.52 289.12 0 top
NOREF#1938  -  []  341.63 173.83 90 top
NOREF#1939  -  []  341.63 195.43 90 top
NOREF#1940  -  []  376.98 224.6 0 top
NOREF#1941  -  []  263.14 282 0 top
NOREF#1942  -  []  313.56 144.34 90 top
NOREF#1943  -  []  201.66 227.17 90 top
NOREF#1944  -  []  332.51 204.35 90 top
NOREF#1945  -  []  383.09 273.11 0 top
NOREF#1946  -  []  310.41 247.61 90 top
NOREF#1947  -  []  310.41 193.37 90 top
NOREF#1948  -  []  300.36 177.06 0 top
NOREF#1949  -  []  451.64 179.06 0 top
NOREF#1950  -  []  465.45 276.41 90 top
NOREF#1951  -  []  167.7 255.15 90 top
NOREF#1952  -  []  475.04 195.66 0 top
NOREF#1953  -  []  310.73 193.69 0 top
NOREF#1954  -  []  272.25 184.23 0 top
NOREF#1955  -  []  332.51 265.56 0 top
NOREF#1956  -  []  182.57 158.5 0 top
NOREF#1957  -  []  375.73 196.98 90 top
NOREF#1958  -  []  404.4 273.16 90 top
NOREF#1959  -  []  304.61 131.64 0 top
NOREF#1960  -  []  339.33 205.56 90 top
NOREF#1961  -  []  249.28 165.04 90 top
NOREF#1962  -  []  271.04 181.69 0 top
NOREF#1963  -  []  333.4 265.56 0 top
NOREF#1964  -  []  383.09 273.11 0 top
NOREF#1965  -  []  251.33 140.14 0 top
NOREF#1966  -  []  451.68 214.96 0 top
NOREF#1967  -  []  118.7 222.88 0 top
NOREF#1968  -  []  378.75 256.66 90 top
NOREF#1969  -  []  393.31 131.89 90 top
NOREF#1970  -  []  367.48 225.87 90 top
NOREF#1971  -  []  375.73 193.43 0 top
